# Altium PCB 0.PCB1.PcbDoc (part 2 of 12) (continued)
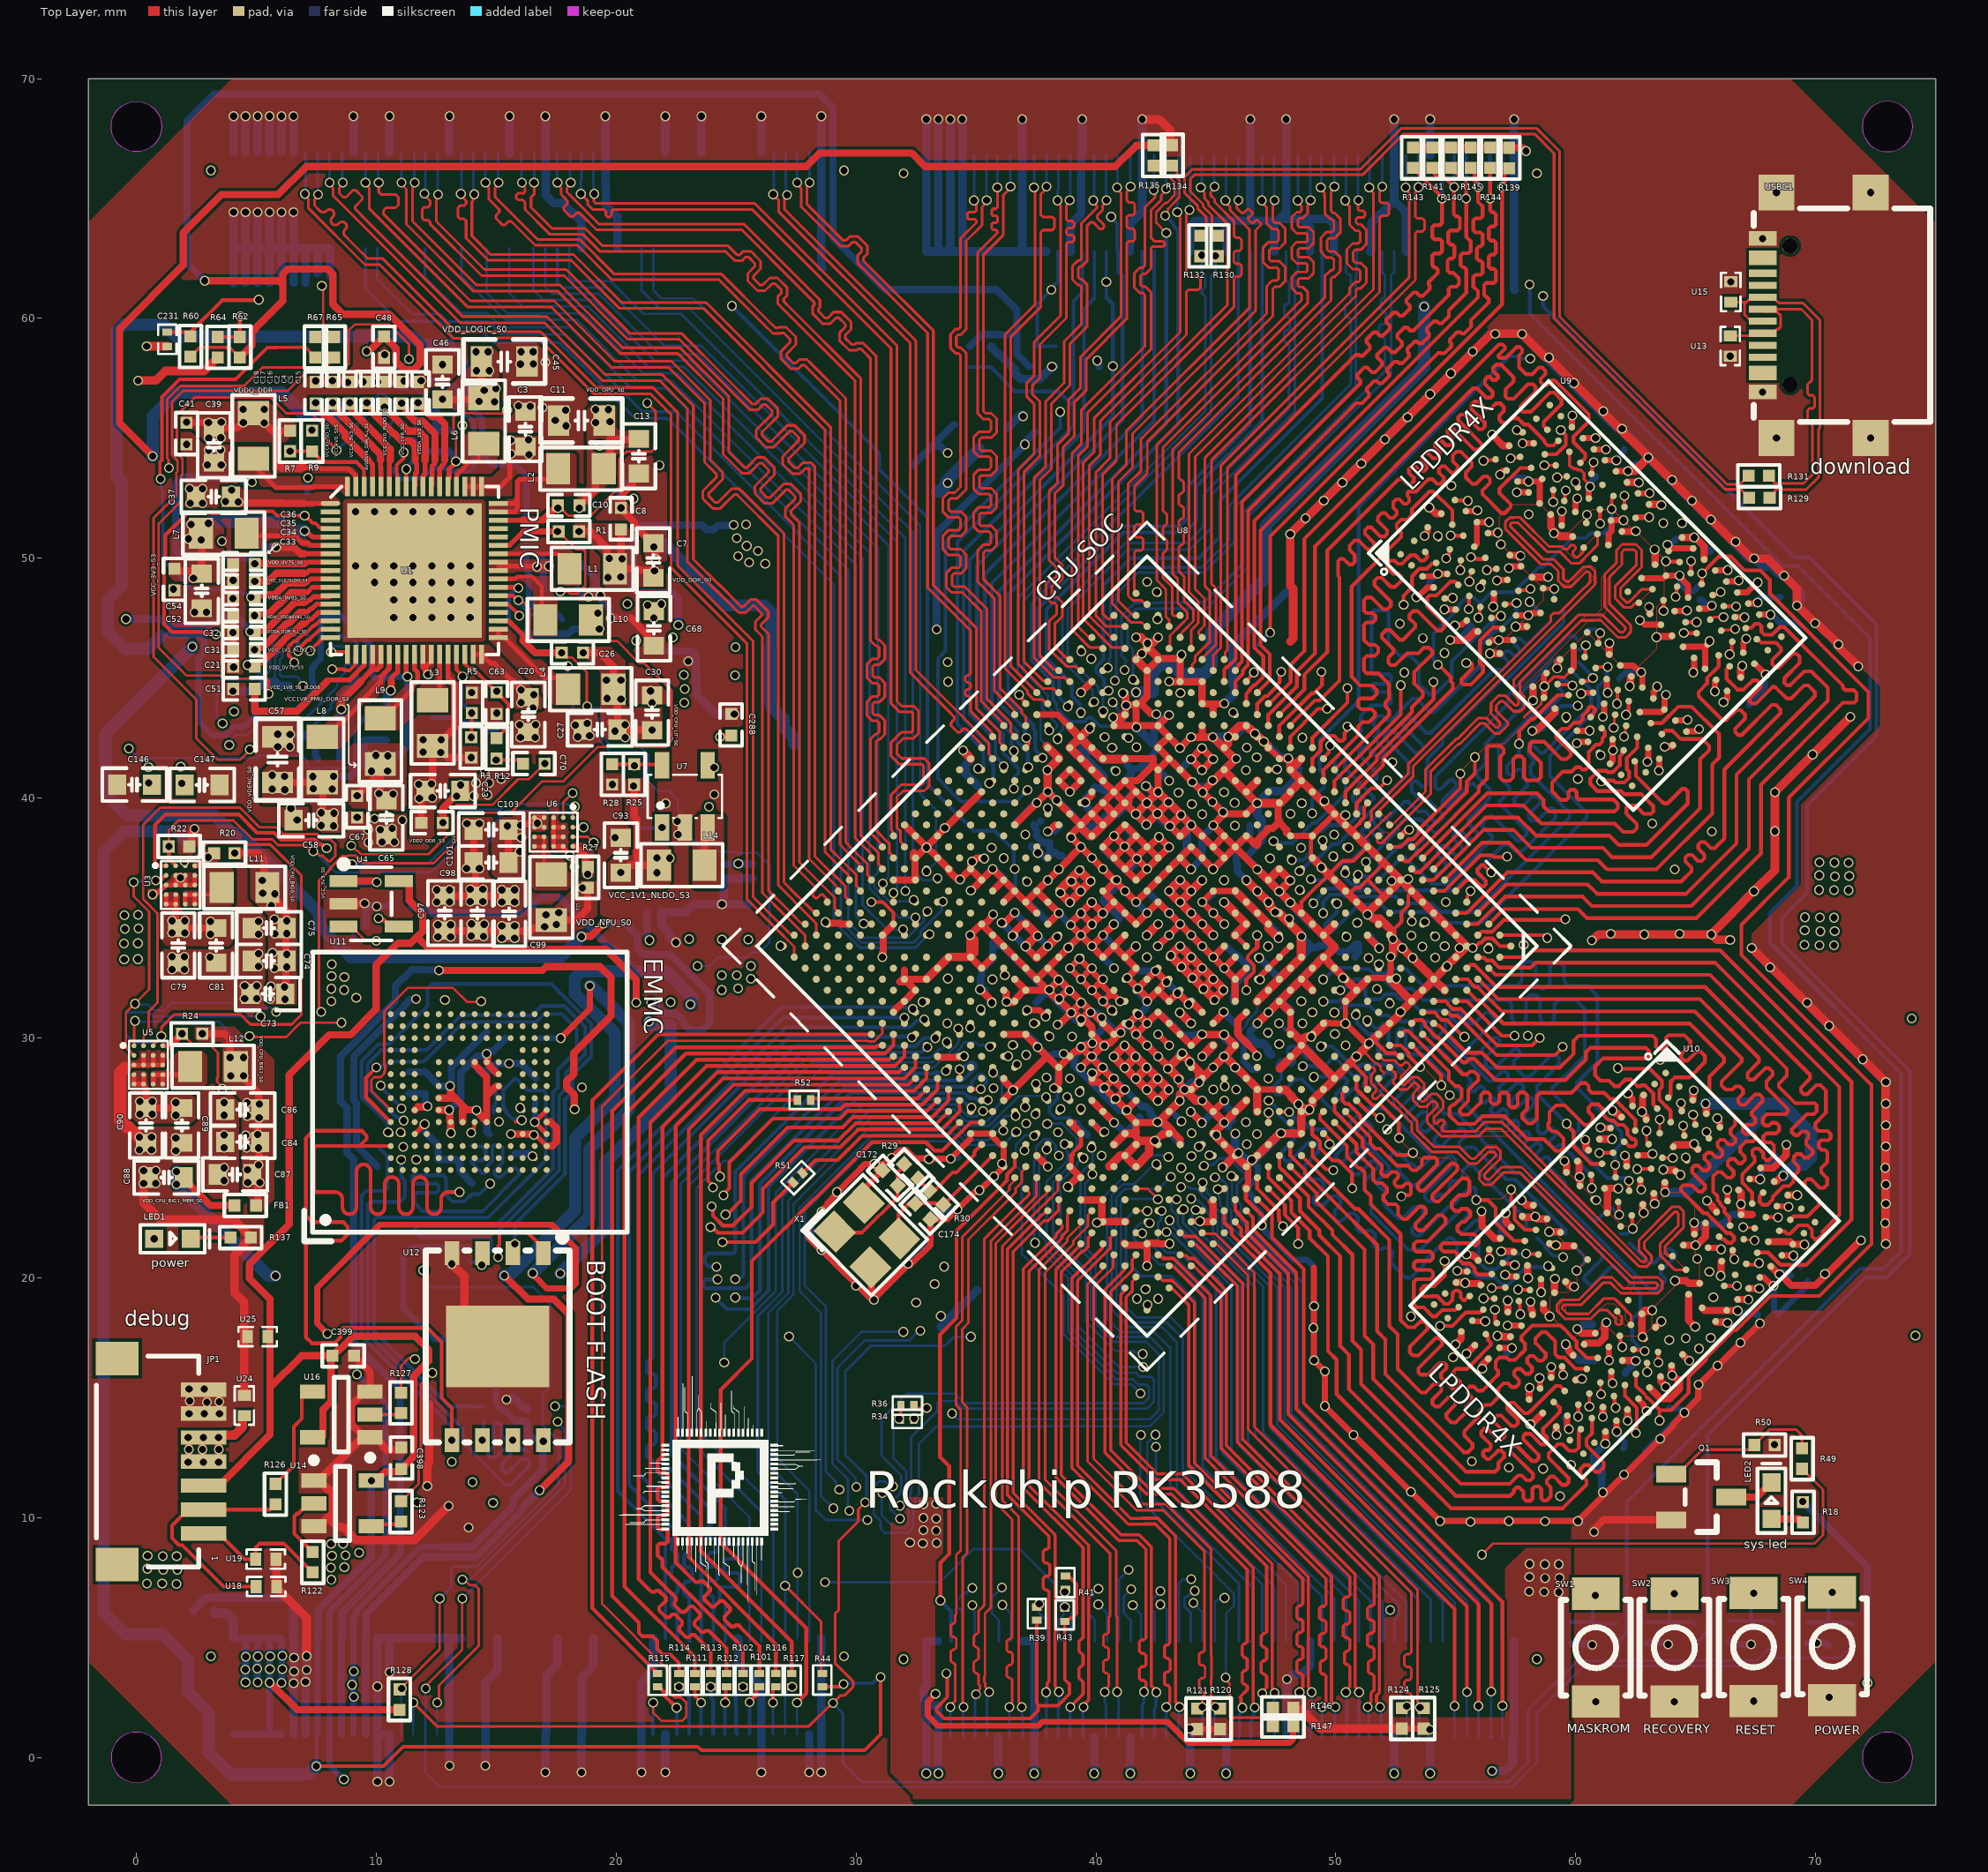
[diagram p0: Top Layer view]
## Footprints (in the part's own frame and the unit in brackets; to place one, negate y for a bottom-side part, rotate by r counter-clockwise, add the part's x,y. Pads: shape width x height; smd on the part's side, far side on the other; paste and mask are expansions set on the pad) (continued)
Y34(10.725,-1.625)
  silkscreen extent -12.5,-12.5 12.5,12.5, body extent -11.5,-11.5 11.5,11.5, height 3.81
C0201_L [mm]
  rect 0.3x0.4 smd: 1(-0.3,0) 2(0.3,0)
  silkscreen extent -0.61,-0.38 0.61,0.38, body extent -0.3,-0.15 0.3,0.15, height 0.3
C0402_L [mm]
  rect 0.5x0.5 smd: 1(-0.45,0) 2(0.45,0)
  silkscreen extent -0.87,-0.46 0.88,0.46, body extent -0.5,-0.25 0.5,0.25, height 0.5
C0603_L [mm]
  rect 0.75x0.85 smd: 1(-0.725,0) 2(0.725,0)
  silkscreen extent -1.35,-0.69 1.35,0.69, body extent -0.8,-0.4 0.8,0.4, height 0.8
C0805_L [mil]
  rect 35x50 smd: 1(-37.4,0) 2(37.4,0)
  silkscreen extent -67,-36 67,36, body extent -39,-26 39,26, height 51
DFN1006-2L-BI [mm]
  rect 0.45x0.55 smd paste+0 mask+0.051: 1(-0.425,0) 2(0.425,0)
  silkscreen extent -0.8,-0.4 0.8,0.4
F_100PIN [mm]
  rect 2x0.25 smd: 1(-2,12.25) 2(-2,11.75) 3(-2,11.25) 4(-2,10.75) 5(-2,10.25) 6(-2,9.75) 7(-2,9.25) 8(-2,8.75) 9(-2,8.25) 10(-2,7.75) 11(-2,7.25) 12(-2,6.75) 13(-2,6.25) 14(-2,5.75) 15(-2,5.25) 16(-2,4.75) 17(-2,4.25) 18(-2,3.75) 19(-2,3.25) 20(-2,2.75) 21(-2,2.25) 22(-2,1.75) 23(-2,1.25) 24(-2,0.75) 25(-2,0.25) 26(-2,-0.25) 27(-2,-0.75) 28(-2,-1.25) 29(-2,-1.75) 30(-2,-2.25) 31(-2,-2.75) 32(-2,-3.25) 33(-2,-3.75) 34(-2,-4.25) 35(-2,-4.75) 36(-2,-5.25) 37(-2,-5.75) 38(-2,-6.25) 39(-2,-6.75) 40(-2,-7.25) 41(-2,-7.75) 42(-2,-8.25) 43(-2,-8.75) 44(-2,-9.25) 45(-2,-9.75) 46(-2,-10.25) 47(-2,-10.75) 48(-2,-11.25) 49(-2,-11.75) 50(-2,-12.25) 51(2,-12.25) 52(2,-11.75) 53(2,-11.25) 54(2,-10.75) 55(2,-10.25) 56(2,-9.75) 57(2,-9.25) 58(2,-8.75) 59(2,-8.25) 60(2,-7.75) 61(2,-7.25) 62(2,-6.75) 63(2,-6.25) 64(2,-5.75) 65(2,-5.25) 66(2,-4.75) 67(2,-4.25) 68(2,-3.75) 69(2,-3.25) 70(2,-2.75) 71(2,-2.25) 72(2,-1.75) 73(2,-1.25) 74(2,-0.75) 75(2,-0.25) 76(2,0.25) 77(2,0.75) 78(2,1.25) 79(2,1.75) 80(2,2.25) 81(2,2.75) 82(2,3.25) 83(2,3.75) 84(2,4.25) 85(2,4.75) 86(2,5.25) 87(2,5.75) 88(2,6.25) 89(2,6.75) 90(2,7.25) 91(2,7.75) 92(2,8.25) 93(2,8.75) 94(2,9.25) 95(2,9.75) 96(2,10.25) 97(2,10.75) 98(2,11.25) 99(2,11.75) 100(2,12.25)
  silkscreen extent -2.54,-13.85 2,14.48
FB0402 [mm]
  rect 0.5x0.5 smd: 1(-0.45,0) 2(0.45,0)
  silkscreen extent -0.87,-0.46 0.88,0.46, body extent -0.51,-0.26 0.51,0.26, height 0.52
FBGA-153 [mm]
  round 0.25 smd mask+0.051: A1(-3.25,-3.25) A2(-3.25,-2.75) A3(-3.25,-2.25) A4(-3.25,-1.75) A5(-3.25,-1.25) A6(-3.25,-0.75) A7(-3.25,-0.25) A8(-3.25,0.25) A9(-3.25,0.75) A10(-3.25,1.25) A11(-3.25,1.75) A12(-3.25,2.25) A13(-3.25,2.75) A14(-3.25,3.25) B1(-2.75,-3.25) B2(-2.75,-2.75) B3(-2.75,-2.25) B4(-2.75,-1.75) B5(-2.75,-1.25) B6(-2.75,-0.75) B7(-2.75,-0.25) B8(-2.75,0.25) B9(-2.75,0.75) B10(-2.75,1.25) B11(-2.75,1.75) B12(-2.75,2.25) B13(-2.75,2.75) B14(-2.75,3.25) C1(-2.25,-3.25) C2(-2.25,-2.75) C3(-2.25,-2.25) C4(-2.25,-1.75) C5(-2.25,-1.25) C6(-2.25,-0.75) C7(-2.25,-0.25) C8(-2.25,0.25) C9(-2.25,0.75) C10(-2.25,1.25) C11(-2.25,1.75) C12(-2.25,2.25) C13(-2.25,2.75) C14(-2.25,3.25) D1(-1.75,-3.25) D2(-1.75,-2.75) D3(-1.75,-2.25) D4(-1.75,-1.75) D12(-1.75,2.25) D13(-1.75,2.75) D14(-1.75,3.25) E1(-1.25,-3.25) E2(-1.25,-2.75) E3(-1.25,-2.25) E5(-1.25,-1.25) E6(-1.25,-0.75) E7(-1.25,-0.25) E8(-1.25,0.25) E9(-1.25,0.75) E10(-1.25,1.25) E12(-1.25,2.25) E13(-1.25,2.75) E14(-1.25,3.25) F1(-0.75,-3.25) F2(-0.75,-2.75) F3(-0.75,-2.25) F5(-0.75,-1.25) F10(-0.75,1.25) F12(-0.75,2.25) F13(-0.75,2.75) F14(-0.75,3.25) G1(-0.25,-3.25) G2(-0.25,-2.75) G3(-0.25,-2.25) G5(-0.25,-1.25) G10(-0.25,1.25) G12(-0.25,2.25) G13(-0.25,2.75) G14(-0.25,3.25) H1(0.25,-3.25) H2(0.25,-2.75) H3(0.25,-2.25) H5(0.25,-1.25) H10(0.25,1.25) H12(0.25,2.25) H13(0.25,2.75) H14(0.25,3.25) J1(0.75,-3.25) J2(0.75,-2.75) J3(0.75,-2.25) J5(0.75,-1.25) J10(0.75,1.25) J12(0.75,2.25) J13(0.75,2.75) J14(0.75,3.25) K1(1.25,-3.25) K2(1.25,-2.75) K3(1.25,-2.25) K5(1.25,-1.25) K6(1.25,-0.75) K7(1.25,-0.25) K8(1.25,0.25) K9(1.25,0.75) K10(1.25,1.25) K12(1.25,2.25) K13(1.25,2.75) K14(1.25,3.25) L1(1.75,-3.25) L2(1.75,-2.75) L3(1.75,-2.25) L12(1.75,2.25) L13(1.75,2.75) L14(1.75,3.25) M1(2.25,-3.25) M2(2.25,-2.75) M3(2.25,-2.25) M4(2.25,-1.75) M5(2.25,-1.25) M6(2.25,-0.75) M7(2.25,-0.25) M8(2.25,0.25) M9(2.25,0.75) M10(2.25,1.25) M11(2.25,1.75) M12(2.25,2.25) M13(2.25,2.75) M14(2.25,3.25) N1(2.75,-3.25) N2(2.75,-2.75) N3(2.75,-2.25) N4(2.75,-1.75) N5(2.75,-1.25) N6(2.75,-0.75) N7(2.75,-0.25) N8(2.75,0.25) N9(2.75,0.75) N10(2.75,1.25) N11(2.75,1.75) N12(2.75,2.25) N13(2.75,2.75) N14(2.75,3.25) P1(3.25,-3.25) P2(3.25,-2.75) P3(3.25,-2.25) P4(3.25,-1.75) P5(3.25,-1.25) P6(3.25,-0.75) P7(3.25,-0.25) P8(3.25,0.25) P9(3.25,0.75) P10(3.25,1.25) P11(3.25,1.75) P12(3.25,2.25) P13(3.25,2.75) P14(3.25,3.25)
  silkscreen extent -6.86,-6.22 6.61,5.84, body extent -6.4,-5.75 6.6,5.75, height 1.15
FBGA-200_L15.0-W10.0-BL_K4F6E3S4HM [mm]
  round 0.28 smd paste+0 mask+0.05: A1(-6.711,-4.214) A2(-6.711,-3.414) A3(-6.711,-2.614) A4(-6.711,-1.814) A5(-6.711,-1.014) A8(-6.711,1.386) A9(-6.711,2.186) A10(-6.711,2.986) A11(-6.711,3.786) A12(-6.711,4.586) AA1(6.289,-4.214) AA2(6.289,-3.414) AA3(6.289,-2.614) AA4(6.289,-1.814) AA5(6.289,-1.014) AA8(6.289,1.386) AA9(6.289,2.186) AA10(6.289,2.986) AA11(6.289,3.786) AA12(6.289,4.586) AB1(6.939,-4.214) AB2(6.939,-3.414) AB3(6.939,-2.614) AB4(6.939,-1.814) AB5(6.939,-1.014) AB8(6.939,1.386) AB9(6.939,2.186) AB10(6.939,2.986) AB11(6.939,3.786) AB12(6.939,4.586) B1(-6.061,-4.214) B2(-6.061,-3.414) B3(-6.061,-2.614) B4(-6.061,-1.814) B5(-6.061,-1.014) B8(-6.061,1.386) B9(-6.061,2.186) B10(-6.061,2.986) B11(-6.061,3.786) B12(-6.061,4.586) C1(-5.411,-4.214) C2(-5.411,-3.414) C3(-5.411,-2.614) C4(-5.411,-1.814) C5(-5.411,-1.014) C8(-5.411,1.386) C9(-5.411,2.186) C10(-5.411,2.986) C11(-5.411,3.786) C12(-5.411,4.586) D1(-4.761,-4.214) D2(-4.761,-3.414) D3(-4.761,-2.614) D4(-4.761,-1.814) D5(-4.761,-1.014) D8(-4.761,1.386) D9(-4.761,2.186) D10(-4.761,2.986) D11(-4.761,3.786) D12(-4.761,4.586) E1(-4.111,-4.214) E2(-4.111,-3.414) E3(-4.111,-2.614) E4(-4.111,-1.814) E5(-4.111,-1.014) E8(-4.111,1.386) E9(-4.111,2.186) E10(-4.111,2.986) E11(-4.111,3.786) E12(-4.111,4.586) F1(-3.461,-4.214) F2(-3.461,-3.414) F3(-3.461,-2.614) F4(-3.461,-1.814) F5(-3.461,-1.014) F8(-3.461,1.386) F9(-3.461,2.186) F10(-3.461,2.986) F11(-3.461,3.786) F12(-3.461,4.586) G1(-2.811,-4.214) G2(-2.811,-3.414) G3(-2.811,-2.614) G4(-2.811,-1.814) G5(-2.811,-1.014) G8(-2.811,1.386) G9(-2.811,2.186) G10(-2.811,2.986) G11(-2.811,3.786) G12(-2.811,4.586) H1(-2.161,-4.214) H2(-2.161,-3.414) H3(-2.161,-2.614) H4(-2.161,-1.814) H5(-2.161,-1.014) H8(-2.161,1.386) H9(-2.161,2.186) H10(-2.161,2.986) H11(-2.161,3.786) H12(-2.161,4.586) J1(-1.511,-4.214) J2(-1.511,-3.414) J3(-1.511,-2.614) J4(-1.511,-1.814) J5(-1.511,-1.014) J8(-1.511,1.386) J9(-1.511,2.186) J10(-1.511,2.986) J11(-1.511,3.786) J12(-1.511,4.586) K1(-0.861,-4.214) K2(-0.861,-3.414) K3(-0.861,-2.614) K4(-0.861,-1.814) K5(-0.861,-1.014) K8(-0.861,1.386) K9(-0.861,2.186) K10(-0.861,2.986) K11(-0.861,3.786) K12(-0.861,4.586) N1(1.089,-4.214) N2(1.089,-3.414) N3(1.089,-2.614) N4(1.089,-1.814) N5(1.089,-1.014) N8(1.089,1.386) N9(1.089,2.186) N10(1.089,2.986) N11(1.089,3.786) N12(1.089,4.586) P1(1.739,-4.214) P2(1.739,-3.414) P3(1.739,-2.614) P4(1.739,-1.814) P5(1.739,-1.014) P8(1.739,1.386) P9(1.739,2.186) P10(1.739,2.986) P11(1.739,3.786) P12(1.739,4.586) R1(2.389,-4.214) R2(2.389,-3.414) R3(2.389,-2.614) R4(2.389,-1.814) R5(2.389,-1.014) R8(2.389,1.386) R9(2.389,2.186) R10(2.389,2.986) R11(2.389,3.786) R12(2.389,4.586) T1(3.039,-4.214) T2(3.039,-3.414) T3(3.039,-2.614) T4(3.039,-1.814) T5(3.039,-1.014) T8(3.039,1.386) T9(3.039,2.186) T10(3.039,2.986) T11(3.039,3.786) T12(3.039,4.586) U1(3.689,-4.214) U2(3.689,-3.414) U3(3.689,-2.614) U4(3.689,-1.814) U5(3.689,-1.014) U8(3.689,1.386) U9(3.689,2.186) U10(3.689,2.986) U11(3.689,3.786) U12(3.689,4.586) V1(4.339,-4.214) V2(4.339,-3.414) V3(4.339,-2.614) V4(4.339,-1.814) V5(4.339,-1.014) V8(4.339,1.386) V9(4.339,2.186) V10(4.339,2.986) V11(4.339,3.786) V12(4.339,4.586) W1(4.989,-4.214) W2(4.989,-3.414) W3(4.989,-2.614) W4(4.989,-1.814) W5(4.989,-1.014) W8(4.989,1.386) W9(4.989,2.186) W10(4.989,2.986) W11(4.989,3.786) W12(4.989,4.586) Y1(5.639,-4.214) Y2(5.639,-3.414) Y3(5.639,-2.614) Y4(5.639,-1.814) Y5(5.639,-1.014) Y8(5.639,1.386) Y9(5.639,2.186) Y10(5.639,2.986) Y11(5.639,3.786) Y12(5.639,4.586)
  silkscreen extent -7.69,-5.34 7.69,5.26
L0805 [mm]
  rect 1x1.3 smd: 1(-0.95,0) 2(0.95,0)
  silkscreen extent -1.7,-0.89 1.7,0.89, body extent -1,-0.65 1,0.65, height 1.3
LED0603_R [mil]
  rect 30x30 smd: 1(-30,0) 2(30,0)
  silkscreen extent -53,-23 61,23, body extent -31,-16 32,16, height 18
QFN68_7R00X7R00X0R80_T [mil]
  oval 31.5x7.87 smd: 1(-137.8,110.24)
  rect 31.5x7.87 smd: 2(-137.8,96.46) 3(-137.8,82.68) 4(-137.8,68.9) 5(-137.8,55.12) 6(-137.8,41.34) 7(-137.8,27.56) 8(-137.8,13.78) 9(-137.8,0) 10(-137.8,-13.78) 11(-137.8,-27.56) 12(-137.8,-41.34) 13(-137.8,-55.12) 14(-137.8,-68.9) 15(-137.8,-82.68) 16(-137.8,-96.46) 17(-137.8,-110.24) 35(137.8,-110.24) 36(137.8,-96.46) 37(137.8,-82.68) 38(137.8,-68.9) 39(137.8,-55.12) 40(137.8,-41.34) 41(137.8,-27.56) 42(137.8,-13.78) 43(137.8,0) 44(137.8,13.78) 45(137.8,27.56) 46(137.8,41.34) 47(137.8,55.12) 48(137.8,68.9) 49(137.8,82.68) 50(137.8,96.46) 51(137.8,110.24)
  rect 7.87x31.5 smd: 18(-110.24,-137.8) 19(-96.46,-137.8) 20(-82.68,-137.8) 21(-68.9,-137.8) 22(-55.12,-137.8) 23(-41.34,-137.8) 24(-27.56,-137.8) 25(-13.78,-137.8) 26(0,-137.8) 27(13.78,-137.8) 28(27.56,-137.8) 29(41.34,-137.8) 30(55.12,-137.8) 31(68.9,-137.8) 32(82.68,-137.8) 33(96.46,-137.8) 34(110.24,-137.8) 52(110.24,137.8) 53(96.46,137.8) 54(82.68,137.8) 55(68.9,137.8) 56(55.12,137.8) 57(41.34,137.8) 58(27.56,137.8) 59(13.78,137.8) 60(0,137.8) 61(-13.78,137.8) 62(-27.56,137.8) 63(-41.34,137.8) 64(-55.12,137.8) 65(-68.9,137.8) 66(-82.68,137.8) 67(-96.46,137.8) 68(-110.24,137.8)
  rect 220.47x220.47 smd: 69(0,0)
  silkscreen extent -189,-138 138,138, body extent -156,-143 156,143, height 150
R0201_L [mm]
  rect 0.3x0.4 smd: 1(-0.275,0) 2(0.275,0)
  silkscreen extent -0.61,-0.38 0.61,0.38, body extent -0.3,-0.15 0.3,0.15, height 0.23
R0402_L [mm]
  rect 0.5x0.5 smd: 1(-0.425,0) 2(0.425,0)
  silkscreen extent -0.88,-0.46 0.87,0.46, body extent -0.5,-0.25 0.5,0.25, height 0.3
R0603_L [mm]
  rect 0.75x0.85 smd: 1(-0.725,0) 2(0.725,0)
  silkscreen extent -1.35,-0.69 1.35,0.69, body extent -0.8,-0.4 0.8,0.4, height 0.4
SH1.0-WT-7P [mm]
  rect 1.4x1.8 smd: 0(-4.3,-1.8) 0(4.3,-1.8)
  rect 0.6x1.9 smd: 1(3,1.8) 2(2,1.8) 3(1,1.8) 4(0,1.8) 5(-1,1.8) 6(-2,1.8) 7(-3,1.8)
  silkscreen extent -4.4,-2.67 4.4,1.6, body extent -4.51,-2.6 4.49,2.35, height 2.9
SOD-523_L1.2-W0.8-LS1.6-RD [mm]
  rect 0.6x0.36 smd paste+0 mask+0.051: 1(-0.63,0) 2(0.67,0)
  silkscreen extent -0.89,-0.55 0.7,0.55
SOT23-5 [mm]
  rect 1.05x0.6 smd: 1(-1.2,0.95) 2(-1.2,0) 3(-1.2,-0.95) 4(1.2,-0.95) 5(1.2,0.95)
  silkscreen extent -1.32,-1.55 0.3,1.92, body extent -1.4,-1.5 1.4,1.5, height 1.15
SOT-23-3_L2.9-W1.3-P1.90-LS2.4-TL [mm]
  rect 1.25x0.7 smd paste+0 mask+0.051: 1(-1.235,0.95) 2(-1.235,-0.95) 3(1.265,0)
  silkscreen extent -0.65,-1.46 0.67,1.46
SOT-23-5_L3.0-W1.7-P0.95-LS2.8-BL [mm]
  rect 0.49x1.157 smd paste+0 mask+0.051: 1(1.679,-1.712) 2(2.629,-1.712) 3(3.579,-1.712)
  rect 0.49x1.175 smd paste+0 mask+0.051: 4(3.579,0.595) 5(1.679,0.595)
  silkscreen extent 0.83,-1.85 4.16,0.29
SOT-23-5_L3.0-W1.7-P0.95-LS2.8-BR [mm]
  rect 1.1x0.6 smd paste+0 mask+0.051: 1(1.3,-0.95) 2(1.3,0) 3(1.3,0.95) 4(-1.3,0.95) 5(-1.3,-0.95)
  silkscreen extent -0.9,-1.55 0.9,1.55
SW-SMD_L3.9-W2.9-P4.15-LS5.0 [mm]
  rect 1.35x2 smd paste+0 mask+0.051: 1(-2.25,0) 2(2.25,0)
  silkscreen extent -2,-1.45 2,1.45
USB-C-SMD_ZX-TYPEC-WTM1628 [mm]
  rect 1.5x1.5 smd paste+0 mask+0.051: 13(-5.12,2.817) 14(-5.12,-1.113) 15(5.12,2.817) 16(5.12,-1.113)
  rect 0.6x1.15 smd paste+0 mask+0.051: A1B12(-3.2,3.392) A4B9(-2.4,3.392) B1A12(3.2,3.392) B4A9(2.4,3.392)
  rect 0.3x1.15 smd paste+0 mask+0.051: A5(-1.25,3.392) A6(-0.25,3.392) A7(0.25,3.392) A8(1.25,3.392) B5(1.75,3.392) B6(0.75,3.392) B7(-0.75,3.392) B8(-1.75,3.392)
  round 0.65 hole 0.65 unplated paste+0: ""(-2.89,2.249) ""(2.89,2.249)
  silkscreen extent -4.45,-3.59 4.45,3.77
WLCSP-20_L2.0-W1.6-R5-C4-P0.40-TL [mm]
  round 0.2 smd paste-100 mask+0.05: A1(-0.47,0.8) A2(-0.07,0.8) A3(0.33,0.8) A4(0.73,0.8) B1(-0.47,0.4) B2(-0.07,0.4) B3(0.33,0.4) B4(0.73,0.4) C1(-0.47,0) C2(-0.07,0) C3(0.33,0) C4(0.73,0) D1(-0.47,-0.4) D2(-0.07,-0.4) D3(0.33,-0.4) D4(0.73,-0.4) E1(-0.47,-0.8) E2(-0.07,-0.8) E3(0.33,-0.8) E4(0.73,-0.8)
  silkscreen extent -0.99,-1 0.94,1
WSON-8_L8.0-W6.0-P1.27-TL-EP-1 [mm]
  rect 1x0.6 smd paste+0 mask+0.05: 1(-3.75,1.905) 2(-3.75,0.635) 3(-3.75,-0.635) 4(-3.75,-1.905) 5(4.05,-1.905) 6(4.05,-0.635) 7(4.05,0.635) 8(4.05,1.905)
  rect 3.4x4.3 smd paste+0 mask+0.05: 9(0.15,0)
  silkscreen extent -4.55,-3 4.15,3
XTAL-3225-4P [mm]
  rect 1.3x1.2 smd: 1(-1.05,-0.85) 2(1.05,-0.85) 3(1.05,0.85) 4(-1.05,0.85)
  silkscreen extent -2.03,-1.75 1.9,1.65, body extent -1.6,-1.25 1.6,1.25, height 0.7

## Part data
BTB_1 BTB_2 BTB_3 BTB_4: library part Component_1_1
C1 C2 C3 C4 C5 C6 C7 C8 C9 C10 C11 C12 C13 C14 C15 C16 C17 C18 C19 C20 C21 C22 C23 C24 C25 C26 C27 C28 C29 C30 C31 C32 C33 C34 C35 C36 C37 C38 C39 C40 C41 C42 C43 C44 C45 C46 C47 C48 C49 C50 C51 C52 C53 C54 C55 C56 C57 C58 C59 C60 C61 C62 C63 C64 C65 C66 C67 C68 C69 C70 C71 C72 C73 C74 C75 C76 C77 C78 C79 C80 C81 C82 C83 C84 C85 C86 C87 C88 C89 C90 C91 C92 C93 C94 C95 C96 C97 C98 C99 C100 C101 C102 C103 C104 C105 C106 C107 C108 C109 C110 C111 C112 C113 C114 C115 C116 C117 C118 C119 C120 C121 C122 C123 C124 C125 C126 C127 C128 C129 C130 C131 C132 C133 C134 C135 C136 C137 C138 C139 C140 C141 C142 C143 C144 C145 C146 C147 C148 C149 C150 C151 C152 C153 C154 C155 C156 C157 C158 C159 C160 C161 C162 C163 C164 C165 C166 C167 C168 C169 C170 C171 C172 C173 C174 C175 C176 C177 C178 C179 C180 C181 C182 C183 C184 C185 C186 C187 C188 C189 C190 C191 C192 C193 C194 C195 C196 C197 C198 C199 C200 C201 C202 C203 C204 C205 C206 C207 C208 C209 C210 C211 C212 C213 C214 C215 C216 C217 C218 C219 C220 C221 C222 C223 C224 C225 C226 C227 C228 C229 C230 C231 C232 C233 C234 C237 C239 C240 C241 C242 C244 C245 C248 C249 C252 C253 C256 C257 C260 C262 C263 C264 C265 C266 C267 C270 C272 C273 C274 C277 C278 C279 C280 C281 C282 C283 C284 C285 C286 C287 C288 C291 C292 C293 C294 C295 C296 C297 C298 C299 C300 C301 C302 C303 C304 C305 C306 C307 C308 C309 C310 C311 C312 C313 C314 C315 C316 C317 C318 C319 C320 C321 C322 C323 C324 C325 C326 C327 C328 C329 C330 C331 C332 C333 C334 C335 C336 C337 C338 C339 C340 C341 C342 C343 C344 C345 C346 C347 C348 C349 C350 C351 C352 C353 C354 C355 C356 C357 C358 C359 C360 C361 C362 C363 C364 C365 C366 C367 C368 C369 C370 C371 C372 C373 C374 C375 C376 C377 C378 C379 C380 C381 C382 C383 C384 C385 C386 C387 C388 C389 C390 C391 C392 C393 C394 C395 C396 C397 C398 C399 C400 C401 C402 C403: library part C, "贴片电容/MLCC电容"
FB1: library part FB, "贴片磁珠"
JP1: library part "Header 7", "7P连接器"
L1 L2 L3 L4 L5 L6 L7 L8 L9 L10 L11 L12 L13 L14: library part L, "贴片小功率电感"
LED1 LED2: library part LED, "贴片LED"
R1 R2 R3 R4 R5 R6 R7 R8 R9 R10 R11 R12 R13 R14 R15 R16 R17 R18 R19 R20 R21 R22 R23 R24 R25 R26 R27 R28 R29 R30 R31 R32 R33 R34 R35 R36 R37 R38 R39 R40 R41 R42 R43 R44 R45 R46 R47 R48 R49 R50 R51 R52 R53 R54 R55 R56 R57 R58 R59 R60 R61 R62 R63 R64 R65 R67 R69 R70 R72 R73 R83 R84 R85 R86 R87 R88 R89 R90 R93 R94 R95 R96 R97 R98 R99 R100 R101 R102 R103 R104 R105 R106 R107 R108 R109 R110 R111 R112 R113 R114 R115 R116 R117 R118 R119 R120 R121 R122 R123 R124 R125 R126 R127 R128 R129 R130 R131 R132 R133 R134 R135 R136 R137 R138 R139 R140 R141 R142 R143 R144 R145 R146 R147: library part R, "贴片电阻"
U8: library part SOC_RK3588, "ROCKCHIP SOC"
U11: "32GB EMMC5.1"
U14 U16: "三态输出单路总线缓冲器闸"
X1: library part XTAL-4P, "4脚无源晶振(谐振器）"

## Via types
v1: diameter 0.41, hole 0.3, Top Layer to Bottom Layer, tented both sides, 1901 vias
v2: diameter 0.41, hole 0.3, Top Layer to Bottom Layer, 8 vias

## Nets (pads, with @x,y where several pads share a name; then routed paths per layer and width w, separated by ;. In a path a pad name is that pad's centre, name@x,y a point inside that pad or via, vN(x,y) a via of type N, cw(c..) or ccw(c..) an arc to the next point about the centre after c; other vN are vias at no path point)
AUTO_PWRON_EN: BTB_1.86 C70.2 R128.1 | length 60
  Top Layer w0.102: v1(8.96,38.022) 9.173,37.809 9.214,37.809 9.362,37.661 12.18,37.661 13.179,38.66 13.179,39.251 13.179,39.286 13.134,39.331 13.134,39.5 13.351,39.716 14.846,39.716 15.917,40.788 16.37,40.788 17.027,41.445 v1(17.034,41.445) ; R128.1@11.101,2.97 12.643,4.512 v1(12.643,6.627)
  Layer 4 w0.102: v1(8.96,38.022) 9.443,37.539 9.443,36.042 9.158,35.757 9.158,34.374 9.929,33.603 10.741,32.791 10.741,30.78 9.913,29.953 9.774,29.953 8.505,28.683 8.505,22.675 11.116,20.064 11.687,20.064 11.928,20.304 v1(11.952,20.304)
  Bottom Layer w0.102: BTB_1.86@11.044,0.988 v1@11.044,2.858 ; v1(11.952,20.304) 12.011,20.245 12.011,19.843 12.064,19.791 12.064,19.678 12.135,19.607 16.555,19.607 17.241,18.921 17.241,15.441 16.936,15.136 16.936,13.858 17.596,13.198 17.596,11.374 14.17,7.948 13.186,7.948 13.126,7.888 13.126,7.11 v1(12.643,6.627)
  other v1: 11.058,2.872